# Altium PCB novena_evt1_a.PcbDoc (part 7 of 12)
Units mm, origin at the board's own origin, x right, y up, seen from the top; angles counter-clockwise.
Board outline 121 x 150 mm, 10 copper layers (Top, L2-GND, L3, L4, L5-PWR, L6-PWR, L7, L8, L9-GND, Bot), stack 1.621 mm thick; 951 components, 714 nets, 4891 pads, 2105 vias.
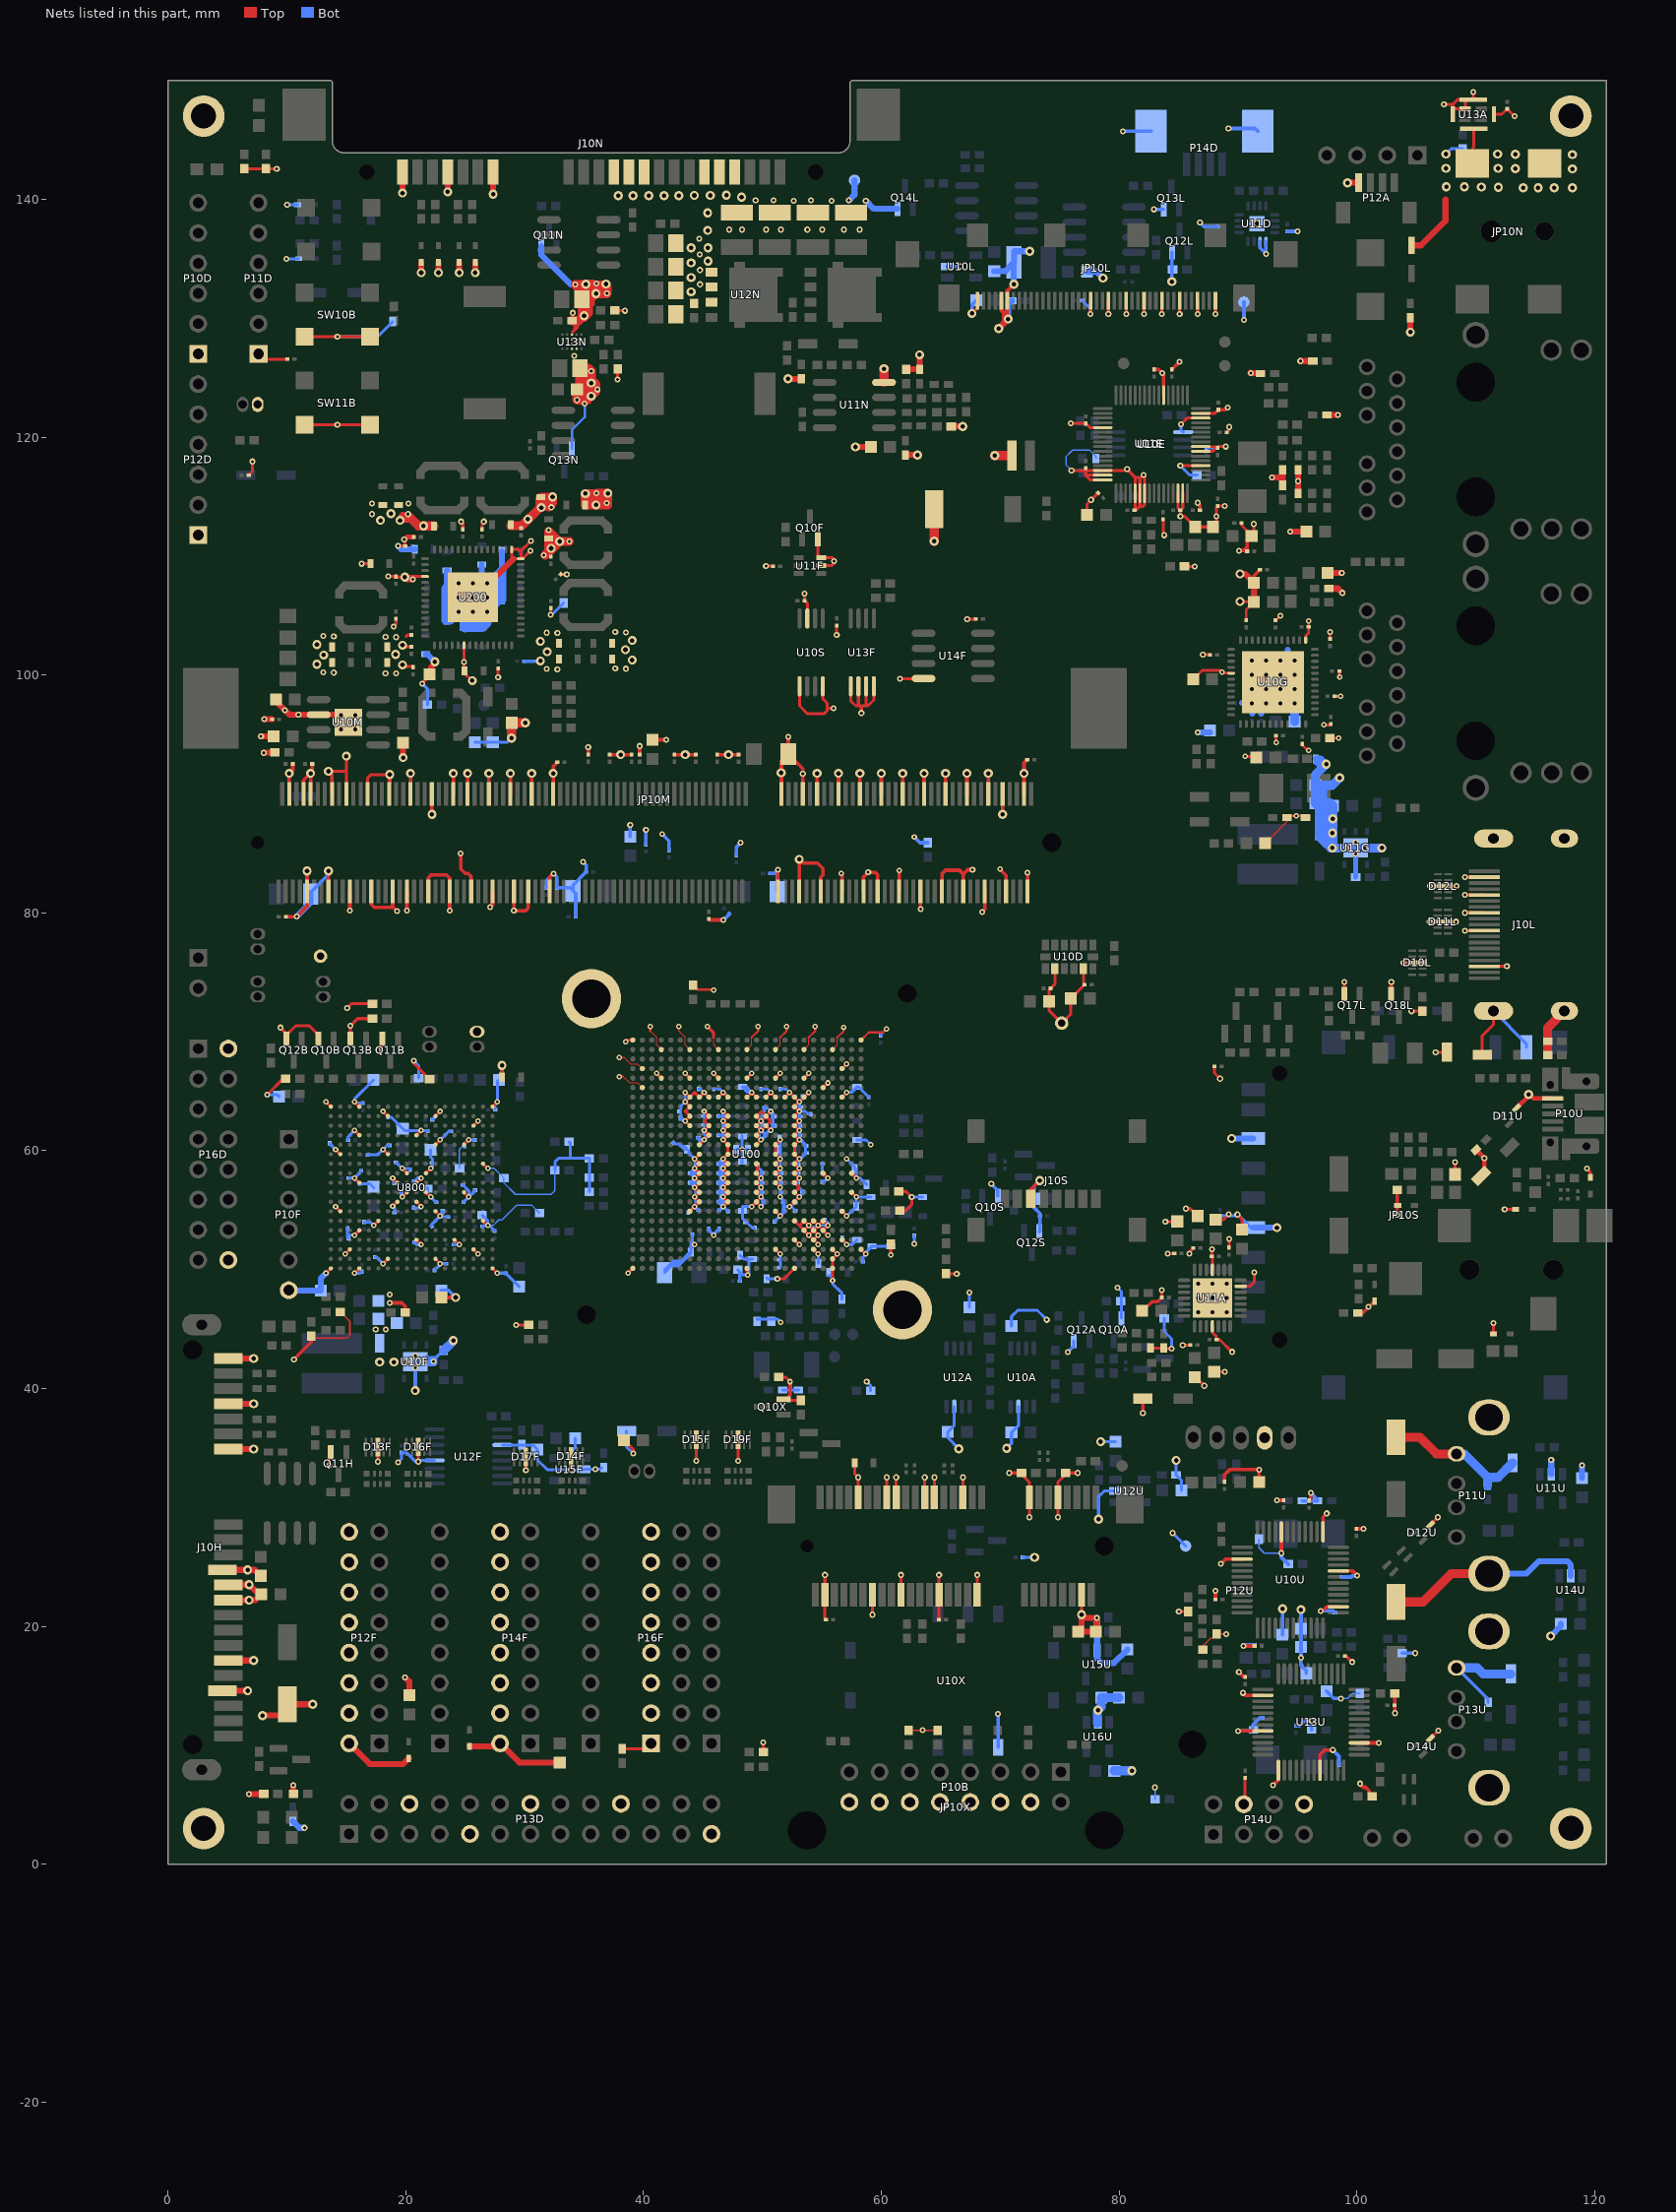
[diagram p15: the nets of this part, all layers, seen from the top]

## Via types
v1: diameter 0.508, hole 0.254, Top to Bot, tented both sides, 940 vias
v2: diameter 0.457, hole 0.203, Top to Bot, tented both sides, 793 vias
v3: diameter 0.762, hole 0.381, Top to Bot, tented both sides, 325 vias
v4: diameter 0.66, hole 0.33, Top to Bot, tented both sides, 23 vias
v5: diameter 0.66, hole 0.33, Top to Bot, tented top, 16 vias
v6: diameter 0.5, hole 0.254, Top to Bot, tented both sides, 8 vias

## Nets (pads, with @x,y where several pads share a name; then routed paths per layer and width w, separated by ;. In a path a pad name is that pad's centre, name@x,y a point inside that pad or via, vN(x,y) a via of type N, cw(c..) or ccw(c..) an arc to the next point about the centre after c; other vN are vias at no path point) (continued)
GND: BT10P.2 C10A.1 C10B.2 C10C.2 C10D.2 C10F.2 C10G.1 C10L.2 C10M.2 C10N.2 C10P.2 C10U.2 C11A.2 C11B.2 C11C.2 C11D.2 C11E.2 C11F.2 C11G.1 C11H.2 C11L.2 C11M.2 C11N.2 C11P.2 C11S.2 C11U.2 C11X.2 C12A.1 C12B.2 C12C.2 C12D.2 C12E.2 C12F.2 C12G.2 C12H.2 C12L.2 C12N.2 C12P.2 C12S.2 C12U.2 C12X.2 C13A.2 C13B.2 C13C.2 C13D.2 C13E.1 C13F.2 C13G.2 C13H.2 C13L.2 C13P.2 C13S.2 C13U.2 C13X.2 C14A.1 C14B.2 C14C.2 C14D.2 C14E.2 C14F.2 C14G.2 C14M.2 C14N.2 C14P.2 C14S.2 C14U.2 C14X.2 C15A.1 C15C.2 C15D.2 C15E.2 C15F.2 C15G.2 C15H.2 C15L.2 C15M.2 C15N.2 C15P.2 C15U.2 C15X.2 C16A.1 C16C.2 C16D.2 C16E.2 C16F.2 C16G.2 C16H.2 C16L.2 C16M.2 C16N.2 C16P.2 C16U.2 C16X.2 C17A.2 C17C.2 C17D.2 C17E.2 C17F.2 C17G.2 C17L.2 C17M.2 C17N.2 C17P.2 C17U.2 C18A.1 C18C.2 C18D.2 C18E.2 C18F.2 C18G.2 C18L.2 C18M.2 C18P.2 C18U.2 C19A.1 C19C.2 C19D.2 C19E.2 C19F.2 C19G.2 C19M.2 C19P.2 C19U.2 C19X.2 C20A.1 C20C.2 C20E.2 C20F.1 C20G.2 C20H.2 C20L.2 C20M.2 C20N.2 C20U.2 C20X.2 C21A.1 C21C.2 C21E.2 C21F.2 C21G.2 C21H.2 C21L.2 C21M.2 C21N.2 C21P.2 C21U.2 C22A.1 C22C.2 C22E.2 C22F.2 C22G.2 C22L.2 C22M.2 C22N.2 C22P.2 C22U.2 C23A.2 C23C.2 C23E.2 C23F.2 C23G.2 C23L.2 C23M.2 C23N.2 C23P.2 C23U.2 C23X.2 C24A.1 C24C.2 C24E.2 C24F.2 C24G.2 C24M.2 C24N.2 C24P.2 C24U.2 C24X.2 C25A.1 C25C.2 C25E.2 C25F.2 C25G.2 C25M.2 C25P.2 C25U.2 C26C.2 C26E.2 C26F.2 C26G.2 C26M.2 C26N.2 C26P.2 C26U.2 C27A.1 C27C.2 C27E.2 C27F.2 C27G.1 C27M.2 C27P.2 C27U.2 C27X.2 C28C.2 C28E.2 C28F.2 C28G.1 C28M.2 C28N.2 C28P.2 C28U.2 C28X.2 C29A.1 C29C.2 C29E.2 C29F.2 C29G.2 C29M.2 C29N.2 C29P.2 C29U.2 C30C.2 C30E.2 C30F.1 C30G.1 C30M.2 C30P.2 C30U.2 C31C.2 C31E.2 C31F.2 C31G.2 C31M.2 C31N.2 C31P.2 C31U.2 C32C.2 C32E.2 C32F.2 C32G.2 C32M.2 C32N.2 C32P.2 C32U.2 C33A.1 C33C.2 C33E.2 C33F.2 C33G.2 C33M.2 C33P.2 C33U.2 C34A.1 C34C.2 C34E.2 C34F.2 C34G.2 C34M.2 C34P.2 C34U.2 C35C.2 C35E.2 C35F.2 C35G.2 C35M.2 C35P.2 C36C.2 C36E.2 C36F.2 C36G.2 C36M.2 C36P.2 C36U.2 C37C.2 C37E.2 C37F.2 C37G.2 C37M.2 C37P.2 C37U.2 C38C.2 C38E.2 C38F.2 C38M.2 C38P.2 C38U.2 C39C.2 C39E.2 C39F.2 C39G.2 C39M.2 C39P.2 C39U.2 C40A.1 C40C.2 C40F.1 C40G.2 C40M.2 C40P.2 C40U.2 C41A.1 C41C.2 C41F.2 C41M.2 C41P.2 C41U.2 C42C.2 C42F.2 C42M.2 C42P.2 C42U.2 C43C.2 C43F.2 C43M.2 C43P.2 C43U.2 C44C.2 C44F.2 C44M.2 C44P.2 C44U.2 C45C.2 C45F.2 C45M.2 C45P.2 C45U.2 C46C.2 C46F.2 C46M.2 C46P.2 C46U.2 C47C.2 C47F.2 C47M.2 C47P.2 C47U.2 C48C.2 C48F.2 C48M.2 C48P.2 C48U.2 C49C.2 C49F.1 C49M.2 C49P.2 C49U.2 C50C.2 C50F.2 C50M.2 C50P.2 C50U.2 C51C.2 C51F.2 C51M.2 C51P.2 C51U.2 C52C.2 C52F.2 C52M.2 C52P.2 C52U.2 C53C.2 C53F.2 C53M.2 C53P.2 C53U.2 C54C.2 C54F.2 C54M.2 C54P.2 C54U.2 C55C.2 C55F.2 C55M.2 C55P.2 C55U.2 C56C.2 C56F.2 C56M.2 C56P.2 C56U.2 C57C.2 C57F.2 C57P.2 C58C.2 C58F.2 C58P.2 C59C.2 C59F.2 C59P.2 C60C.2 C60F.1 C60P.1 C61C.2 C61F.2 C62C.2 C62F.1 C63C.2 C63F.1 C64C.2 C64F.2 C65C.2 C65F.2 C66C.2 C66F.2 C67C.2 C67F.2 C68C.2 C68F.2 C69C.2 C69F.2 C70C.2 C70F.2 C71C.2 C71F.2 C72C.2 C72F.1 C73C.2 C73F.1 C74C.2 C74F.1 C75C.2 C75F.2 C76C.2 C77C.2 C78C.2 C79C.2 C80C.2 C81C.2 C82C.2 C84C.2 C85C.2 C86C.2 C87C.2 C88C.2 C89C.2 C90C.2 C91C.2 C92C.2 C93C.2 D10A.2 D10G.1 D10L.3 D10U.2 D11A.2 D11F.1 D11L.3 D11N.1 D11U.3 D12A.2 D12D.2 D12L.3 D12U.3 D13A.2 D13D.2 D13F.3 D13L.2 D13N.2 D13U.2 D14A.2 D14F.3 D14N.2 D14U.3 D15F.3 D15N.2 D15U.2 D16F.3 D16N.2 D16U.2 D17F.3 D17U.2 D18F.2 D19F.3 D20F.2 D21F.2 J10D.1 J10H.4 J10H.6 J10H.10 J10H.11 J10H.12 J10H.16 J10H.19 J10H.22 J10L.0 J10L.2 J10L.5 J10L.8 J10L.11 J10L.17 J10N.4 J10N.5 J10N.6 J10N.10 J10N.11 J10N.12 J10N.16 J10N.19 J10N.22 J10S.6 J11D.1 J12D.1 J13D.1 J14D.1 J15D.1 JP10L.1 JP10L.4 JP10L.7 JP10L.10 JP10L.13 JP10L.16 JP10L.19 JP10L.22 JP10L.36 JP10L.37 JP10L.41 JP10M.2 JP10M.3 JP10M.8 JP10M.9 JP10M.13 JP10M.14 JP10M.19 JP10M.20 JP10M.25 JP10M.26 JP10M.31 JP10M.32 JP10M.37 JP10M.38 JP10M.43 JP10M.44 JP10M.48 JP10M.49 JP10M.54 JP10M.55 JP10M.60 JP10M.61 JP10M.65 JP10M.66 JP10M.71 JP10M.72 JP10M.127 JP10M.128 JP10M.133 JP10M.134 JP10M.138 JP10M.139 JP10M.144 JP10M.145 JP10M.150 JP10M.151 JP10M.155 JP10M.156 JP10M.161 JP10M.162 JP10M.167 JP10M.168 JP10M.172 JP10M.173 JP10M.178 JP10M.179 JP10M.184 JP10M.185 JP10M.189 JP10M.190 JP10M.195 JP10M.196 JP10M.197 JP10M.201 JP10N.2 JP10N.3 JP10S.3 JP10S.6 JP10S.CD_WP_COM JP10X.4 JP10X.9 JP10X.15 JP10X.18 JP10X.21 JP10X.26 JP10X.27 JP10X.29 JP10X.34 JP10X.35 JP10X.37 JP10X.40 JP10X.43 JP10X.50 L13A.1 M10N.1 M11N.1 M12N.1 M13N.1 P10B.4 P10B.6 P10B.8 P10B.10 P10B.12 P10B.14 P10B.16 P10D.1 P10F.6 P10U.5 P11D.1 P11U.0 P11U.4 P12A.4 P12D.1 P12F.2 P12F.4 P12F.6 P12F.8 P12F.10 P12F.12 P12F.14 P12F.16 P12U.4 P13D.6 P13D.9 P13D.14 P13D.20 P13D.25 P13U.0 P13U.4 P14D.MP1 P14D.MP2 P14F.2 P14F.4 P14F.6 P14F.8 P14F.10 P14F.12 P14F.14 P14F.16 P14U.4 P14U.8 P16D.2 P16D.16 P16F.1 P16F.2 P16F.3 P16F.4 P16F.5 P16F.6 P16F.7 P16F.8 P_FUSE.1 P_LSPI_WP.1 pad.0@35.619,72.781 pad.0@61.781,46.619 Q10A.2 Q10B.2 Q10F.2 Q10S.2 Q10X.2 Q11B.2 Q11H.2 Q11N.2 Q12A.2 Q12B.2 Q12L.2 Q12S.2 Q13B.2 Q13L.2 Q13N.2 Q14L.2 Q17L.2 Q18L.2 R10F.1 R10M.2 R10P.1 R11M.2 R11U.1 R11X.2 R12F.1 R12G.2 R13L.2 R13X.2 R14E.1 R14H.1 R14L.2 R14M.2 R15F.1 R15H.2 R15X.2 R16G.2 R16P.1 R16U.2 R17E.1 R17F.1 R18A.2 R18D.1 R18F.2 R18L.1 R18P.1 R18U.2 R19A.2 R19B.1 R19N.1 R20B.1 R20N.1 R20U.2 R20X.1 R22U.1 R23F.1 R24F.2 R24L.1 R24U.2 R25L.2 R25N.1 R26B.1 R27B.1 R27F.1 R28B.1 R29B.1 R29U.1 R32A.1 R33B.2 R34A.1 R34N.2 R34U.2 R35U.2 R37N.1 R37U.1 R38U.2 R45B.2 R46B.2 R47B.2 R48B.2 R49B.2 R50B.2 R51B.2 R52B.2 R53B.2 R54B.2 R55B.2 R56B.2 SW10B.1 SW10B.2 SW11B.1 SW11B.2 U10A.7 U10D.2 U10D.5 U10E.4 U10E.7 U10E.8 U10E.14 U10E.15 U10E.22 U10E.37 U10E.46 U10E.47 U10E.48 U10E.53 U10E.54 U10E.55 U10E.62 U10E.63 U10F.2 U10F.7 U10G.13 U10G.29 U10G.49 U10L.2 U10M.2 U10M.9 U10S.1 U10S.4 U10S.7 U10U.2 U10U.8 U10U.13 U10U.20 U10U.27 U10X.C5 U11A.4 U11A.13 U11A.18 U11A.29 U11D.9 U11D.10 U11D.17 U11E.5 U11F.2 U11F.3 U11G.2 U11G.7 U11N.4 U11U.2 U12A.7 U12F.3 U12F.12 U12N.1 U12N.2 U12N.3 U12U.2 U13A.2 U13A.5 U13F.1 U13F.2 U13F.3 U13F.4 U13N.B2 U13N.B3 U13N.B4 U13N.C1 U13N.C2 U13N.C3 U13N.C4 U13U.2 U13U.8 U13U.13 U13U.20 U13U.27 U14F.4 U14U.2 U15F.2 U15U.2 U16U.2 U100.A4 U100.A8 U100.A13 U100.A25 U100.AA7 U100.AA10 U100.AA13 U100.AA16 U100.AA19 U100.AA22 U100.AB3 U100.AB24 U100.AD4 U100.AD7 U100.AD10 U100.AD13 U100.AD16 U100.AD19 U100.AD22 U100.AE1 U100.AE25 U100.B4 U100.C1 U100.C4 U100.C6 U100.C10 U100.D3 U100.D6 U100.D8 U100.E5 U100.E6 U100.E7 U100.F5 U100.F6 U100.F7 U100.F8 U100.G3 U100.G10 U100.G19 U100.H8 U100.H12 U100.H15 U100.H18 U100.J2 U100.J8 U100.J12 U100.J15 U100.J18 U100.K8 U100.K10 U100.K12 U100.K15 U100.K18 U100.L2 U100.L5 U100.L8 U100.L10 U100.L12 U100.L15 U100.L18 U100.M8 U100.M10 U100.M12 U100.M15 U100.M18 U100.N8 U100.N10 U100.N15 U100.N18 U100.P8 U100.P10 U100.P12 U100.P15 U100.P18 U100.R8 U100.R12 U100.R15 U100.R17 U100.T8 U100.T11 U100.T12 U100.T15 U100.T17 U100.T19 U100.U8 U100.U11 U100.U12 U100.U15 U100.U17 U100.U19 U100.V8 U100.V19 U100.W3 U100.W7 U100.W8 U100.W9 U100.W10 U100.W11 U100.W12 U100.W13 U100.W15 U100.W16 U100.W17 U100.W18 U100.W19 U100.Y5 U100.Y24 U200.14 U200.15 U200.32 U200.48 U200.57 U800.A1 U800.A18 U800.B7 U800.B13 U800.C3 U800.C16 U800.D5 U800.D10 U800.E15 U800.G2 U800.G5 U800.G12 U800.G17 U800.H8 U800.H10 U800.J4 U800.J9 U800.J11 U800.J15 U800.K8 U800.K10 U800.L9 U800.L11 U800.M2 U800.M6 U800.M17 U800.N13 U800.R1 U800.R4 U800.R9 U800.R14 U800.R18 U800.T16 U800.U6 U800.U12 U800.V1 U800.V18 | length 1380.4
  Top w0.102: 38.288,66.228 38.816,65.7 39.5,65.7 U100.Y24@39.9,65.3 ; 38.365,67.828 38.893,67.3 39.5,67.3 U100.AB24@39.9,66.9 ; 40.572,70.051 41.1,69.523 41.1,68.9 U100.AD22@41.5,68.5 ; v2(42.972,70.432) 42.972,70.051 43.5,69.523 43.5,68.9 U100.AD19@43.9,68.5 ; 45.9,69.523 45.9,68.9 U100.AD16@46.3,68.5 ; U100.AD13@48.7,68.5 49.1,68.9 49.1,69.523 ; U100.AD10@51.1,68.5 51.5,68.9 51.5,69.523 ; U100.AD7@53.5,68.5 53.9,68.9 53.9,69.523 ; U100.AD4@55.9,68.5 56.3,68.9 56.3,69.523
  Top w0.127: R15F.1@12.05,44.4 12.225,44.225 15.05,44.225 15.3,44.475 15.3,45.65 R17F.1@14.5,46.45 ; v1@50.05,10.25 v1(50.075,10.225) ; R20B.1@62.3,11.25 R19B.1@64.75,11.25 ; R11U.1@87.05,18.05 87.05,18.35 87.675,18.975 87.825,18.975 R16U.2@88.2,19.35 v1(89.025,19.35) ; C32G.2@92.3,85.85 94.125,87.675 C10G.1@94.125,88
  Top w0.152: v2(37.969,66.228) 38.288,66.228 ; v2(37.969,67.828) 38.365,67.828
  Top w0.178: 40.572,70.051 v2(40.572,70.432) ; 49.1,69.523 49.628,70.051 v2(49.628,70.432) ; 51.5,69.523 52.028,70.051 v2(52.028,70.432) ; 53.9,69.523 54.428,70.051 v2@54.428,70.432 ; 56.3,69.523 56.828,70.051 v2@56.828,70.432 ; U100.AE1@58.3,69.3 58.938,69.938 60.157,69.938 v2(60.448,70.228)
  Top w0.203: R11M.2@44.375,73.75 44.6,73.525 v2@45.875,73.525
  Top w0.229: v1(85.15,117.6) 85.154,117.604 U10E.4@86.875,117.604 ; C22G.2@86.225,99.625 86.25,99.625 87,100.375 88.525,100.375 88.75,100.15 U10G.29@89.425,100.15 ; U10E.7@86.875,118.804 87.904,118.804 C31E.2@88.25,119.15 ; U10E.8@86.875,119.204 88.196,119.204 C31E.2@88.25,119.15 ; v1(87.05,101.7) C36G.2@87.65,101.7 ; C31E.2@88.3,119.1 C31E.2@88.25,119.15 ; v1(88.975,119.2) 88.3,119.2 C31E.2@88.25,119.15 ; C38E.2@89.05,120.4 89.25,120.6 v1(89.25,120.85) ; v3@90.325,106.175 90.35,106.15 C25G.2@91.35,106.15 90.7,105.5 C37G.2@90.7,104.6 ; v2@90.575,93.175 v2(90.6,93.15) C12G.2@91.55,93.15 ; C31G.2@93.15,104.596 93.196,104.596 v1(93.575,104.975) ; v2(93.2,94.325) C30G.1@93.2,94.9 ; C10G.1@94.15,88.15 v2(94.925,88.15) C11G.1@95.7,88.15 ; C26G.2@95.4,94.2 95.4,94.126 95.876,93.65 v2(95.95,93.65) ; U10G.13@95.7,102.925 95.7,103.275 95.95,103.525 v2(95.95,104.55) ; v2(97.225,95.8) C16G.2@97.8,95.8 ; C34G.2@97.75,103.025 v1(97.75,103.625) ; R12G.2@97.8,94.9 97.6,94.7 v2(98.475,94.7) ; C35G.2@98.15,98.2 v2(98.65,98.2) ; C15G.2@98.525,100.325 98.525,99.875 v2(98.575,99.825)
  Top w0.254: R10P.1@6.425,142.575 R18D.1@8.225,142.575 v1(9.15,142.575) ; C10D.2@6.8,116.8 7.1,117.1 v1(7.1,117.95) ; P11D.1@7.62,127 8.07,126.55 C11D.2@10.05,126.55 ; v1(8.35,64.7) 9.7,66.05 R45B.2@9.9,66.05 ; v1(9.45,70.35) 9.95,69.85 Q12B.2@9.95,69.7 ; Q12B.2@9.95,69.4 Q12B.2@9.95,69.7 ; SW11B.1@11.5,121.05 SW11B.2@17,121.05 ; SW10B.1@11.5,128.45 v1(14.25,128.45) SW10B.2@17,128.45 ; Q10B.2@12.65,69.4 12.65,69.725 11.875,70.5 10.75,70.5 Q12B.2@9.95,69.7 ; v2(13.3,49.7) U800.V18@13.7,50.1 ; v2(13.3,64.1) U800.V1@13.7,63.7 ; v3(13.5,91.9) 14.9,91.9 15,92 ; v1(13.575,33.55) 13.575,34.525 Q11H.2@13.7,34.65 ; v2(14.1,55.3) U800.U12@14.5,54.9 ; v2(14.1,60.1) U800.U6@14.5,59.7 ; v2(14.9,51.3) U800.T16@15.3,51.7 ; JP10M.185@15,90 15,92 ; v3(15,93.175) 15,92 ; v1(15.075,72) 15.425,72.35 R29B.1@17.2,72.35 ; Q13B.2@15.35,69.4 v1(15.35,70.5) 15.95,71.1 R56B.2@17.2,71.1 ; v2(15.7,49.7) U800.R18@16.1,50.1 ; v2(15.7,52.9) U800.R14@16.1,53.3 ; v2(15.7,57.7) U800.R9@16.1,57.3 ; v2(15.7,61.7) U800.R4@16.1,61.3 ; v2(15.7,64.1) U800.R1@16.1,63.7 ; v1(16.3,109.35) C19P.2@17.025,109.35 ; JP10M.179@16.8,90 16.8,91.35 17.075,91.625 v3(18.65,91.625) ; v2(17.3,53.7) U800.N13@17.7,54.1 ; v1(17.65,33.85) D13F.3@17.65,35.075 ; v1(17.65,68.425) 18.05,68.825 Q11B.2@18.05,69.4 ; v2(18.1,50.5) U800.M17@18.5,50.9 ; v2(18.1,60.1) U800.M6@18.5,59.7 ; v2(18.1,63.3) U800.M2@18.5,62.9 ; v1(18.525,108.275) C57P.2@19.175,108.275 19.225,108.225 v3(19.925,108.225) 19.975,108.275 20.825,108.275 ; v2(18.9,57.7) U800.L9@19.3,57.3 ; v2(18.901,55.328) 18.928,55.328 U800.L11@19.3,55.7 ; v1(18.975,104.075) 19.175,104.275 C58P.2@19.175,104.725 ; v1(19.35,110.85) C23P.2@19.95,110.85 19.95,111.306 v1(19.876,111.38) ; v2(19.7,56.1) U800.K10@20.1,56.5 ; v2(19.7,58.5) U800.K8@20.1,58.1 ; v3(19.725,100.85) 19.85,100.725 C24P.2@20.625,100.725 ; v3(19.725,102.5) 19.85,102.375 C22P.2@20.475,102.375 ; 20.025,103.225 20.175,103.375 C18P.2@20.475,103.375 ; v1(20.6,108.05) 20.825,108.275 ; v1(20.675,67.575) 20.675,67.325 R24F.2@22,66 ; U800.J15@20.9,52.5 v2(21.3,52.1) ; U800.J11@20.9,55.7 v2(21.3,55.3) ; U800.J9@20.9,57.3 v2(21.3,57.7) ; U800.J4@20.9,61.3 v2(21.3,61.7) ; v1(21.05,33.85) D16F.3@21.05,35.1 ; v1(21.375,99.275) 22,99.9 C48P.2@22,100.05 C48P.2@22,100.375 ; U200.32@21.625,108.275 20.825,108.275 ; U800.H10@21.7,56.5 v2(22.1,56.1) ; U800.H8@21.7,58.1 v2(22.1,58.5) ; v3@22.325,101.025 22,100.7 C48P.2@22,100.375 ; v3(22.45,101.1) 22.45,100.825 C48P.2@22,100.375 ; U800.G17@22.5,50.9 v2(22.9,50.5) ; U800.G12@22.5,54.9 v2(22.9,54.5) ; U800.G5@22.5,60.5 v2(22.9,60.9) ; U800.G2@22.5,62.9 v2(22.9,63.3) ; U800.E15@24.1,52.5 v2(24.5,52.1) ; v1(24.65,112.9) 24.8,112.75 C31P.2@24.8,112.25 ; U800.D10@24.9,56.5 v2(25.3,56.1) ; U800.D5@24.9,60.5 v2(25.3,60.9) ; U200.48@24.9,102.5 24.9,100.375 C47P.2@24.95,100.325 24.95,100.125 v3@25.475,99.6 ; v4(25.65,106.525) U200.57@25.8,106.525 ; U800.C16@25.7,51.7 v2(26.1,51.3) ; U800.C3@25.7,62.1 v2(26.1,62.5) ; C59P.2@26.425,112.25 26.425,112.75 v1(26.575,112.9) ; U800.B13@26.5,54.1 v2(26.9,53.7) ; U800.B7@26.5,58.9 v2(26.9,58.5) ; U800.A18@27.3,50.1 v2(27.7,49.7) ; U800.A1@27.3,63.7 v2(27.7,64.1) ; C50P.2@27.775,100.55 v1(27.775,99.8) v1@27.825,99.75 ; C25C.2@28.1,66.175 v3(28.1,67.175) ; v1(29.275,45.35) R27B.1@30.35,45.35 ; v1@30.1,33.225 D17F.3@30.1,34.25 ; v1(30.5,110.45) 29.825,109.775 U200.14@29.675,109.775 ; v1(30.525,111.275) 29.675,110.425 29.575,110.425 ; v1(32.2,105.05) C55P.2@32.2,105.625 ; C56P.2@32.2,109.95 v3@32.2,110.475 ; C54P.2@33.037,108.462 v1(33.537,108.462) ; v1@33.9,33.275 D14F.3@33.9,34.3 ; C32N.2@33.975,129.8 34.225,129.55 34.225,129.05 ; 34.05,128.825 34.05,128.875 34.225,129.05 ; 34.475,129.325 34.475,129.3 34.225,129.05 ; R34N.2@37.6,130.65 38.425,130.65 v1(38.45,130.625) ; v1(37.825,124.85) R37N.1@37.825,125.725 ; C12D.2@38.2,9.7 40.18,9.7 P16F.1@40.64,10.16 ; C74F.1@38.35,35.65 39.15,34.85 v1(39.15,34.525) ; v2(38.488,69.163) 38.625,69.3 U100.AE25@39.1,69.3 ; v2(38.7,49.7) U100.A25@39.1,50.1 ; v2(41.1,66.5) U100.AA22@41.5,66.1 ; 43.5,63.3 U100.U19@43.9,62.9 ; 43.5,63.3 U100.V19@43.9,63.7 ; v2(43.5,64.9) U100.W19@43.9,64.5 ; v2(43.5,66.5) U100.AA19@43.9,66.1 ; U100.G19@43.9,54.9 v2(44.3,55.3) U100.H18@44.7,55.7 v2(44.3,56.1) U100.J18@44.7,56.5 v2(44.3,56.9) U100.K18@44.7,57.3 v2(44.3,57.7) U100.L18@44.7,58.1 v2(44.3,58.5) U100.M18@44.7,58.9 v2(44.3,59.3) U100.N18@44.7,59.7 ; U100.T19@43.9,62.1 v2(43.5,62.5) ; v1(44.45,33.925) D15F.3@44.45,35.7 ; U100.P18@44.7,60.5 v2(45.1,60.9) U100.R17@45.5,61.3 ; v2(45.1,64.9) U100.W17@45.5,64.5 v2(45.1,64.9) U100.W18@44.7,64.5 44.3,64.9 U100.W19@43.9,64.5 ; v2(45.372,70.432) 45.9,69.904 45.9,69.523 ; v2(45.9,66.5) U100.AA16@46.3,66.1 ; U100.W16@46.3,64.5 v2(46.7,64.9) U100.W15@47.1,64.5 v2(46.7,64.9) ; v2(46.7,55.3) U100.H15@47.1,55.7 v2(46.7,56.1) U100.J15@47.1,56.5 v2(46.7,56.9) U100.K15@47.1,57.3 v2(46.7,57.7) U100.L15@47.1,58.1 v2(46.7,58.5) U100.M15@47.1,58.9 46.82,59.18 46.82,59.42 U100.N15@47.1,59.7 U100.P15@47.1,60.5 46.82,60.78 46.82,61.02 U100.R15@47.1,61.3 v2(46.7,61.7) U100.T15@47.1,62.1 v2(46.7,62.5) U100.U15@47.1,62.9 v2(46.7,63.3) ; v1(47.95,33.925) D19F.3@47.95,35.7 ; U100.A13@48.7,50.1 48.7,49.6 v2(48.75,49.55) ; U100.W13@48.7,64.5 v2(49.1,64.9) U100.W12@49.5,64.5 ; U100.AA13@48.7,66.1 v2(49.1,66.5) ; v2(49.1,55.3) U100.H12@49.5,55.7 ; U100.M12@49.5,58.9 49.583,58.817 49.583,58.183 U100.L12@49.5,58.1 v2(49.9,57.7) U100.K12@49.5,57.3 v2(49.9,56.9) U100.J12@49.5,56.5 v2(49.9,56.1) U100.H12@49.5,55.7 ; U100.P12@49.5,60.5 v2(49.9,60.9) U100.R12@49.5,61.3 v2(49.9,61.7) ; v2(49.9,55.3) U100.H12@49.5,55.7 ; R10F.1@50.075,9.425 v1(50.075,10.225) ; v1(50.3,109.15) C66F.2@50.9,109.15 ; v2(50.7,61.7) U100.T11@50.3,62.1 ; v2(50.7,64.9) U100.W11@50.3,64.5 v2(50.7,64.9) U100.W10@51.1,64.5 ; U100.C10@51.1,51.7 v2(51.5,51.3) ; U100.G10@51.1,54.9 v2(51.5,54.5) ; U100.AA10@51.1,66.1 v2(51.5,66.5) ; v1(51.25,49.225) 51.825,49.225 U100.A8@52.7,50.1 ; R28B.1@51.375,40.95 51.95,40.95 v2(52.325,40.575) 52.325,39.425 52,39.1 Q10X.2@51.8,39.1 51.9,39 R11X.2@53.25,39 ; v2(51.5,56.9) U100.K10@51.1,57.3 v2(51.5,57.7) U100.L10@51.1,58.1 v2(51.5,58.5) U100.M10@51.1,58.9 v2(51.5,59.3) U100.N10@51.1,59.7 U100.P10@51.1,60.5 v2(51.5,60.9) ; U100.W9@51.9,64.5 v2(52.3,64.9) U100.W8@52.7,64.5 v2(53.1,64.1) ; U100.W9@51.9,64.5 v2(52.3,64.9) ; v2(52.3,55.3) 52.31,55.3 52.7,55.69 U100.H8@52.7,55.7 v2@53.1,56.1 ; U100.D8@52.7,52.5 v2(53.1,52.1) ; U100.F8@52.7,54.1 52.976,53.824 53.1,53.7 ; v2(53.1,56.105) v2@53.1,56.1 ; U10S.1@53.125,99.05 53.125,97.4 53.8,96.725 55.175,96.725 55.45,97 55.45,97.2 ; U100.E7@53.5,53.3 v2(53.9,53.7) ; U100.AA7@53.5,66.1 v2(53.9,66.5) ; v1(53.55,106.85) C14S.2@53.55,106.25 53.775,106.025 U10S.7@53.775,104.75 ; v2(53.9,64.9) U100.W7@53.5,64.5 v2(53.1,64.1) ; U100.C6@54.3,51.7 v2(54.7,51.3) ; Q10F.2@54.65,111.4 54.65,110.15 U11F.3@54.95,109.85 55.9,109.85 56.025,109.725 56.025,109.375 55.85,109.2 U11F.2@54.95,109.2 ; v2(54.7,52.1) U100.D6@54.3,52.5 ; U10S.4@55.075,99.05 55.075,98 55.45,97.625 55.45,97.2 ; U100.L5@55.1,58.1 v2(55.5,57.7) ; U100.Y5@55.1,65.3 v2(55.5,65.7) ; JP10X.50@55.255,22.65 55.255,20.645 C12X.2@55.35,20.55 ; JP10X.50@55.26,22.65 v1(55.26,24.325) ; v2(55.5,52.9) U100.E5@55.1,53.3 ; U100.C4@55.9,51.7 v2(56.3,51.3) U100.B4@55.9,50.9 U100.A4@55.9,50.1 55.903,50.097 v2(55.903,49.077) ; v1(56,97.2) 55.45,97.2 ; v1(56.25,103.375) C64F.2@56.25,104.15 ; U100.D3@56.7,52.5 v2(57.1,52.1) ; U100.G3@56.7,54.9 v2(57.1,54.5) ; U100.W3@56.7,64.5 v2(57.1,64.9) ; U100.AB3@56.7,66.9 v2(57.1,67.3) ; U13F.1@57.425,99.05 57.425,97.825 57.85,97.4 58.05,97.4 ; U100.J2@57.5,56.5 v2(57.9,56.1) ; U100.L2@57.5,58.1 v2(57.9,57.7) ; C15X.2@57.75,33.75 57.75,32.835 v1(58.06,32.525) JP10X.43@58.06,30.85 ; U13F.2@58.075,99.05 58.075,97.425 58.05,97.4 ; U100.C1@58.3,51.7 v2(58.7,51.3) ; v1(58.325,96.8) 58.325,97.4 ; U13F.3@58.725,99.05 58.725,97.4 ; v1(59.25,20.975) JP10X.40@59.25,22.65 ; U13F.4@59.375,99.05 59.375,97.9 58.875,97.4 58.725,97.4 ; JP10X.37@60.46,30.85 v1(60.46,32.525) ; v2(60.8,51.225) 60.825,51.25 R13L.2@60.825,52.125 ; JP10X.35@61.26,30.85 v1(61.26,32.525) ; R24L.1@61.475,56.575 62.075,56.575 v1(62.55,56.1) 62.55,55.45 62.05,54.95 R14L.2@61.55,54.95 ; v1(61.575,99.675) 61.595,99.695 U14F.4@63.55,99.695 ; JP10X.34@61.66,22.65 v1(61.66,24.325) ; JP10X.29@63.66,30.85 v1(63.66,32.525) ; JP10X.27@64.46,30.85 v1(64.46,32.525) ; C14X.2@64.85,20.55 64.85,22.645 JP10X.26@64.855,22.65 ; JP10X.26@64.86,22.65 v1(64.86,24.325) ; R26B.1@65.45,49.65 v1(66.35,49.65) ; JP10X.21@66.86,30.85 v1(66.86,32.525) ; v1(67.225,104.7) C75F.2@67.95,104.7 ; JP10X.18@68.06,22.65 v1(68.06,24.325) ; v1(70.775,32.9) R13X.2@71.8,32.9 71.8,32.775 72.455,32.12 JP10X.15@72.455,30.85 ; v1(72.45,29.175) JP10X.15@72.45,30.85 ; U10D.2@74.6,75.3 74.6,74 C17D.2@74.25,73.65 74.1,73.5 C14D.2@74.1,72.55 74.1,71.8 J11D.1@75.175,70.725 75.95,71.5 C16D.2@75.95,72.8 C15D.2@77.1,73.95 77,74.05 U10D.5@77,75.3 ; v1(74.85,29.175) JP10X.9@74.85,30.85 ; JP10X.9@74.855,30.85 74.855,32.13 75.5,32.775 R15X.2@75.5,32.9 v1(76.525,32.9) ; v1(75.925,121.15) C36E.2@77.2,121.15 77.546,120.804 U10E.37@78.625,120.804 ; v1(76,117.2) 77.2,117.2 ; v3(76.85,20.975) JP10X.4@76.85,22.65 ; C29E.2@77.2,117.4 77.2,117.2 ; C23E.2@77.3,113.45 77.3,114.374 C33E.2@78.238,115.312 ; v1(77.6,130.337) JP10L.22@77.6,131.475 ; U10E.48@78.625,116.404 77.571,116.404 77.2,116.775 ; U10E.47@78.625,116.804 77.229,116.804 77.2,116.775 ; v1(79.1,130.337) JP10L.19@79.1,131.475 ; v1(80.6,130.337) JP10L.16@80.6,131.475 ; C11A.2@81.95,46.55 82.025,46.55 82.775,47.3 83.25,47.3 C10A.1@83.6,47.65 v1(83.6,48.275) ; D13U.2@82,39.15 v1(82,37.925) v1@82.025,37.9 ; v1(82.1,130.337) JP10L.13@82.1,131.475 ; C40A.1@82.65,43.4 C41A.1@83.75,43.4 83.8,43.35 v1(84.425,43.35) ; v1(83.6,130.337) JP10L.10@83.6,131.475 ; C32E.2@83.7,113.1 83.7,111.85 v1(83.8,111.75) ; v1(83.9,54.025) 84.875,54.025 C13A.2@84.9,54.05 ; v1(84.1,51.35) C12A.1@84.65,51.35 ; U10E.62@84.95,115.279 84.95,114.05 C21E.2@85.15,113.85 ; v1(85.025,21.25) R18U.2@85.8,21.25 ; v1(85.1,130.337) JP10L.7@85.1,131.475 ; v1(85.2,121.075) 85.729,121.604 U10E.14@86.875,121.604 ; v1(85.35,43.65) C14A.1@86,43.65 ; U10E.63@85.35,115.279 85.35,114.05 C21E.2@85.15,113.85 ; R14E.1@85.5,109.125 v1(86.375,109.125) ; v1(85.625,55.125) 85.975,55.125 C17A.2@86.6,54.5 ; v1@85.925,51.475 C16A.1@86.25,51.8 ; C23A.2@86.35,40.95 86.45,40.95 v1(87.175,40.225) ; v1(86.6,130.337) JP10L.4@86.6,131.475 ; v1(86.625,114.475) 86.8,114.3 C37E.2@86.8,113.85 ; U10E.15@86.875,122.004 88.054,122.004 C28E.2@88.35,122.3 88.925,122.3 v1(89.125,122.5) ; v1@87.8,51.6 C24A.1@87.8,51.1 87.85,51.05 U11A.18@87.85,49.975 ; U11A.4@87.85,45.225 87.85,44.7 88.2,44.35 C22A.1@88.2,44.1 88.475,44.1 v1(89.5,43.075) ; C15A.1@88,41.4 v1(88.9,41.4) ; C10L.2@88.025,67.1 88.025,66.525 v1(88.5,66.05) ; v1(88.1,130.337) JP10L.1@88.1,131.475 ; C21A.1@88.125,54.2 88.775,54.2 v1(89.225,54.65) ; v1(88.9,114.2) C39E.2@88.3,114.2 88.2,114.1 v1(88.2,113.35) 88.2,112.75 C27E.2@87.9,112.45 C22E.2@86.4,112.45 85.5,113.35 v1(85.15,113.35) C21E.2@85.15,113.85 ; C20A.1@89.25,51.85 v1(89.25,52.575) ; v1(89.95,54.625) 90.35,54.225 C25A.1@90.35,53.35 ; v1(90.1,110.45) 90.4,110.45 ; U11A.13@90.225,48.6 91.025,48.6 91.4,48.975 91.375,49 v1(91.375,49.75) ; C26E.2@90.3,112.775 90.3,112.6 C25E.2@91.15,111.75 ; P14U.4@90.49,5.04 90.6,5.15 C43U.2@90.6,7.25 ; v1(91.325,112.7) 91.325,111.925 C25E.2@91.15,111.75 ; C23G.2@91.35,107.75 91.35,108.35 C24G.2@91.85,108.85 ; Q17L.2@98.95,73.15 v1(98.95,74.175) ; C34A.1@100.1,46.35 100.5,46.35 D12A.2@101.5,47.35 ; Q18L.2@102.9,73.15 v1(102.9,74.175) ; v1(103.4,54.6) R18A.2@103.4,56.7 ; v1(103.925,75.8) D10L.3@105.1,75.8 ; v1(104.6,71.725) R25L.2@105.5,71.725 ; v1(106.125,79.25) D11L.3@107.225,79.25 v1(108.35,79.25) ; v1(106.15,82.25) D12L.3@107.25,82.25 v1(108.375,82.25) ; D14U.3@106.195,10.57 v1(106.85,11.225) ; D12U.3@106.195,28.545 v1(106.825,29.175) ; v1(106.625,68.275) D13L.2@107.575,68.275 ; v1(107.325,147.975) 108.075,147.975 ; U13A.5@108.075,147.15 U13A.5@108.075,147.65 ; L13A.1@108.25,58 v1(108.25,59.025) ; v1(109.1,78.5) J10L.11@110.74,78.5 ; v1(109.1,80) J10L.8@110.74,80 ; v1(109.1,81.5) J10L.5@110.74,81.5 ; v1(109.1,83) J10L.2@110.74,83 ; 109.75,144.3 109.825,144.375 U13A.5@109.825,145.925 ; v1(109.8,149.025) U13A.5@109.8,148.375 U13A.5@109.138,148.375 ; D15U.2@110.55,68.05 110.55,69.675 111.5,70.625 J10L.0@111.5,71.75 ; J10L.17@110.74,75.5 v1(112.625,75.5) ; D11A.2@111.5,44.6 v1(111.5,45.5) ; U13A.5@111.525,147.15 112.2,147.15 C33A.1@112.65,147.6 v1(113.275,146.975) ; v1(112.425,55.05) D10A.2@113.35,55.05 ; v1(119.35,58.5) 119.65,58.2 D14A.2@119.65,57.75 ; 29.575,110.425 29.45,110.55 U200.15@28.9,110.55 28.9,109.925 29.05,109.775 U200.14@29.675,109.775 ; 29.575,110.425 29.7,110.3 29.7,109.8 U200.14@29.675,109.775 ; v2(43.5,62.5) U100.U19@43.9,62.9 ; v2(43.5,62.5) U100.U19@43.9,62.9 ; v2(43.5,64.1) U100.V19@43.9,63.7 ; v2(43.5,64.1) U100.W19@43.9,64.5 ; v2(43.5,64.1) U100.V19@43.9,63.7 ; v2(43.5,64.1) U100.W19@43.9,64.5 ; v2(45.1,61.7) U100.T17@45.5,62.1 ; v2(45.1,61.7) U100.R17@45.5,61.3 ; v2(45.1,61.7) U100.R17@45.5,61.3 ; v2(45.1,61.7) U100.T17@45.5,62.1 ; U100.T17@45.5,62.1 45.1,62.5 U100.U17@45.5,62.9 ; U100.U17@45.5,62.9 v2(45.1,63.3) U100.U17@45.5,62.9 ; U100.U12@49.5,62.9 49.9,63.3 U100.U11@50.3,62.9 ; U100.U12@49.5,62.9 v2(49.9,62.5) ; U100.U12@49.5,62.9 v2(49.9,62.5) ; v2(49.9,61.7) U100.T11@50.3,62.1 ; v2(49.9,61.7) U100.T12@49.5,62.1 v2(49.9,62.5) ; v2(49.9,62.5) U100.U11@50.3,62.9 ; U100.T11@50.3,62.1 50.7,62.5 U100.U11@50.3,62.9 ; U100.U11@50.3,62.9 v2(50.7,63.3) U100.U11@50.3,62.9 ; U100.V8@52.7,63.7 v2(53.1,64.1) ; U100.V8@52.7,63.7 v2(53.1,64.1) ; U100.V8@52.7,63.7 v2(53.1,63.3) U100.U8@52.7,62.9 v2(53.1,62.5) U100.T8@52.7,62.1 v2(53.1,61.7) U100.R8@52.7,61.3 v2(53.1,60.9) U100.P8@52.7,60.5 U100.N8@52.7,59.7 v2(53.1,59.3) U100.M8@52.7,58.9 v2(53.1,58.5) U100.L8@52.7,58.1 v2(53.1,57.7) U100.K8@52.7,57.3 53.1,56.9 U100.J8@52.7,56.5 v2@53.1,56.1 ; 53.1,53.7 U100.F7@53.5,54.1 v2(53.9,53.7) ; 53.1,53.7 v2(53.9,52.9) ; v2(53.9,52.9) U100.E6@54.3,53.3 ; v2(53.9,52.9) U100.D6@54.3,52.5 ; v2(53.9,53.7) U100.F6@54.3,54.1 v2(54.7,53.7) ; v2(53.9,53.7) U100.E6@54.3,53.3 ; U100.D6@54.3,52.5 v2(54.7,52.9) U100.E6@54.3,53.3 ; U100.E6@54.3,53.3 v2(54.7,53.7) ; v2(54.7,53.7) U100.F5@55.1,54.1 v2(55.5,53.7) U100.E5@55.1,53.3 ; v2(54.7,53.7) U100.E5@55.1,53.3 ; 58.05,97.4 58.325,97.4 ; 58.325,97.4 58.725,97.4 ; 77.2,116.775 77.2,117.2 ; 77.2,117.2 77.204,117.204 U10E.46@78.625,117.204 80.579,117.204 v1(80.675,117.3) 81.35,116.625 ; 81.35,116.625 U10E.53@81.35,115.279 81.35,113.9 C30E.2@81.3,113.85 81.425,113.85 81.75,114.175 ; 81.35,116.625 81.65,116.625 81.75,116.525 ; 81.75,114.175 U10E.54@81.75,115.279 81.75,116.525 ; 81.75,114.175 82.025,114.175 82.15,114.3 U10E.55@82.15,115.279 82.15,116.725 v1(82.05,116.825) 81.75,116.525 ; 90.4,110.45 90.75,110.8 90.775,110.8 ; 90.4,110.45 90.675,110.45 90.775,110.55 90.775,110.8 ; 90.775,110.8 90.775,111.375 C25E.2@91.15,111.75 ; U13A.5@108.075,147.65 108.125,147.6 U13A.2@109.125,147.6 109.125,148.362 U13A.5@109.138,148.375 ; U13A.5@108.075,147.65 108.075,147.975 ; 108.075,147.975 108.475,148.375 U13A.5@109.138,148.375